# KiCad board hw-openmower-universal.kicad_pcb
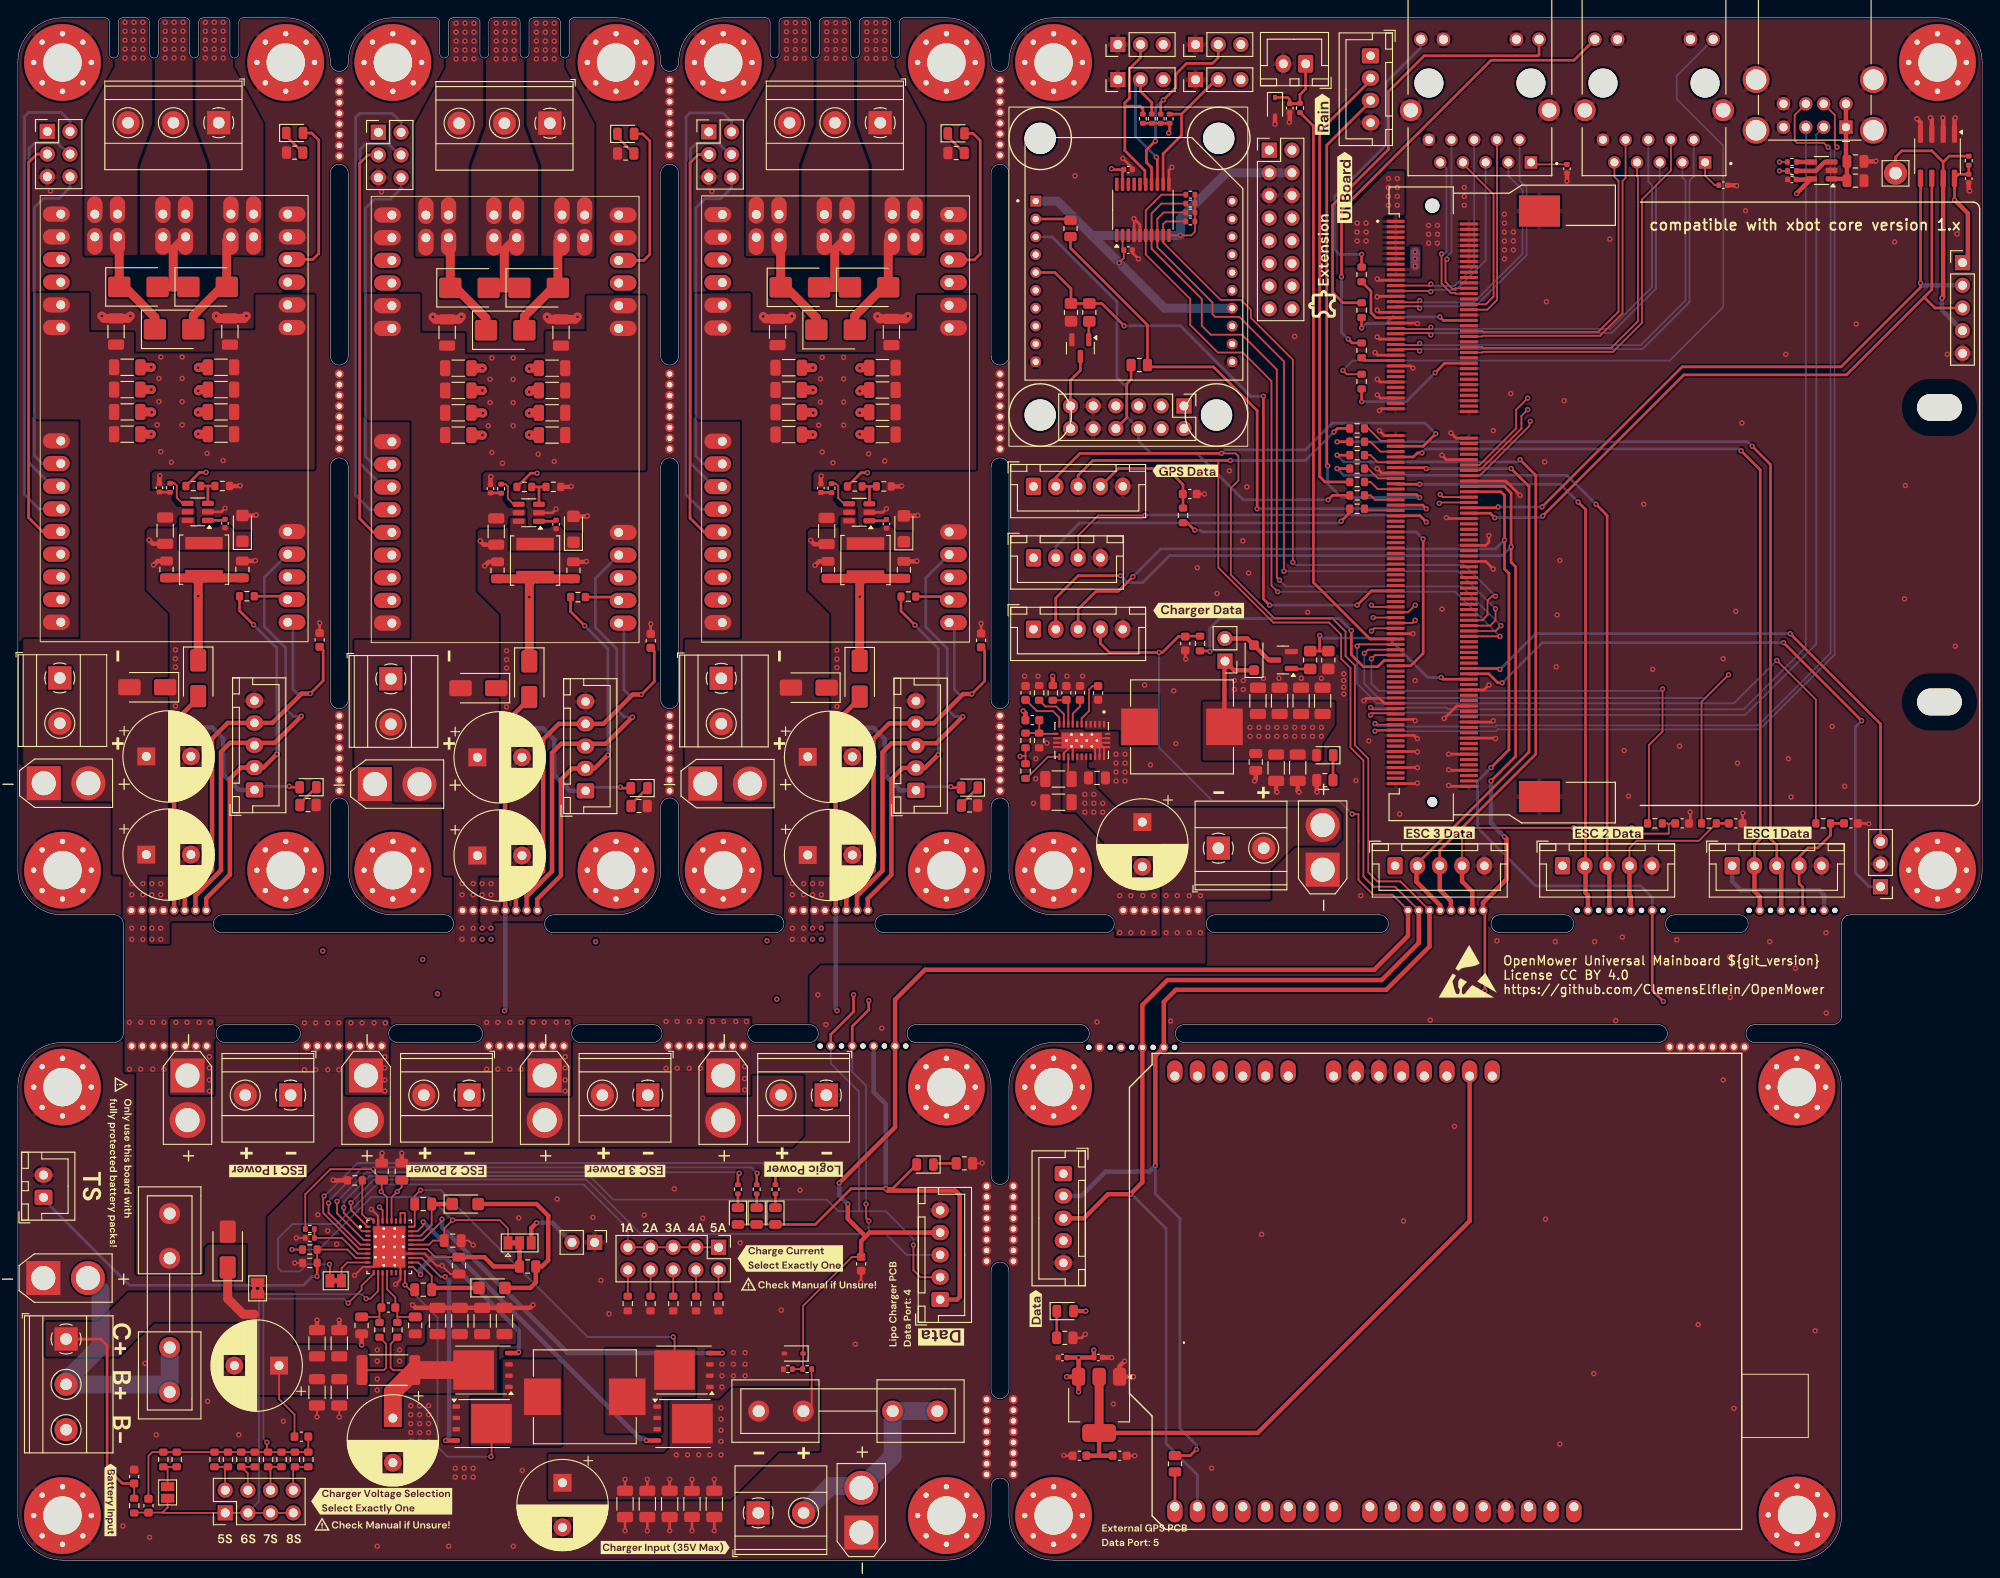
[diagram p0: board, top side]
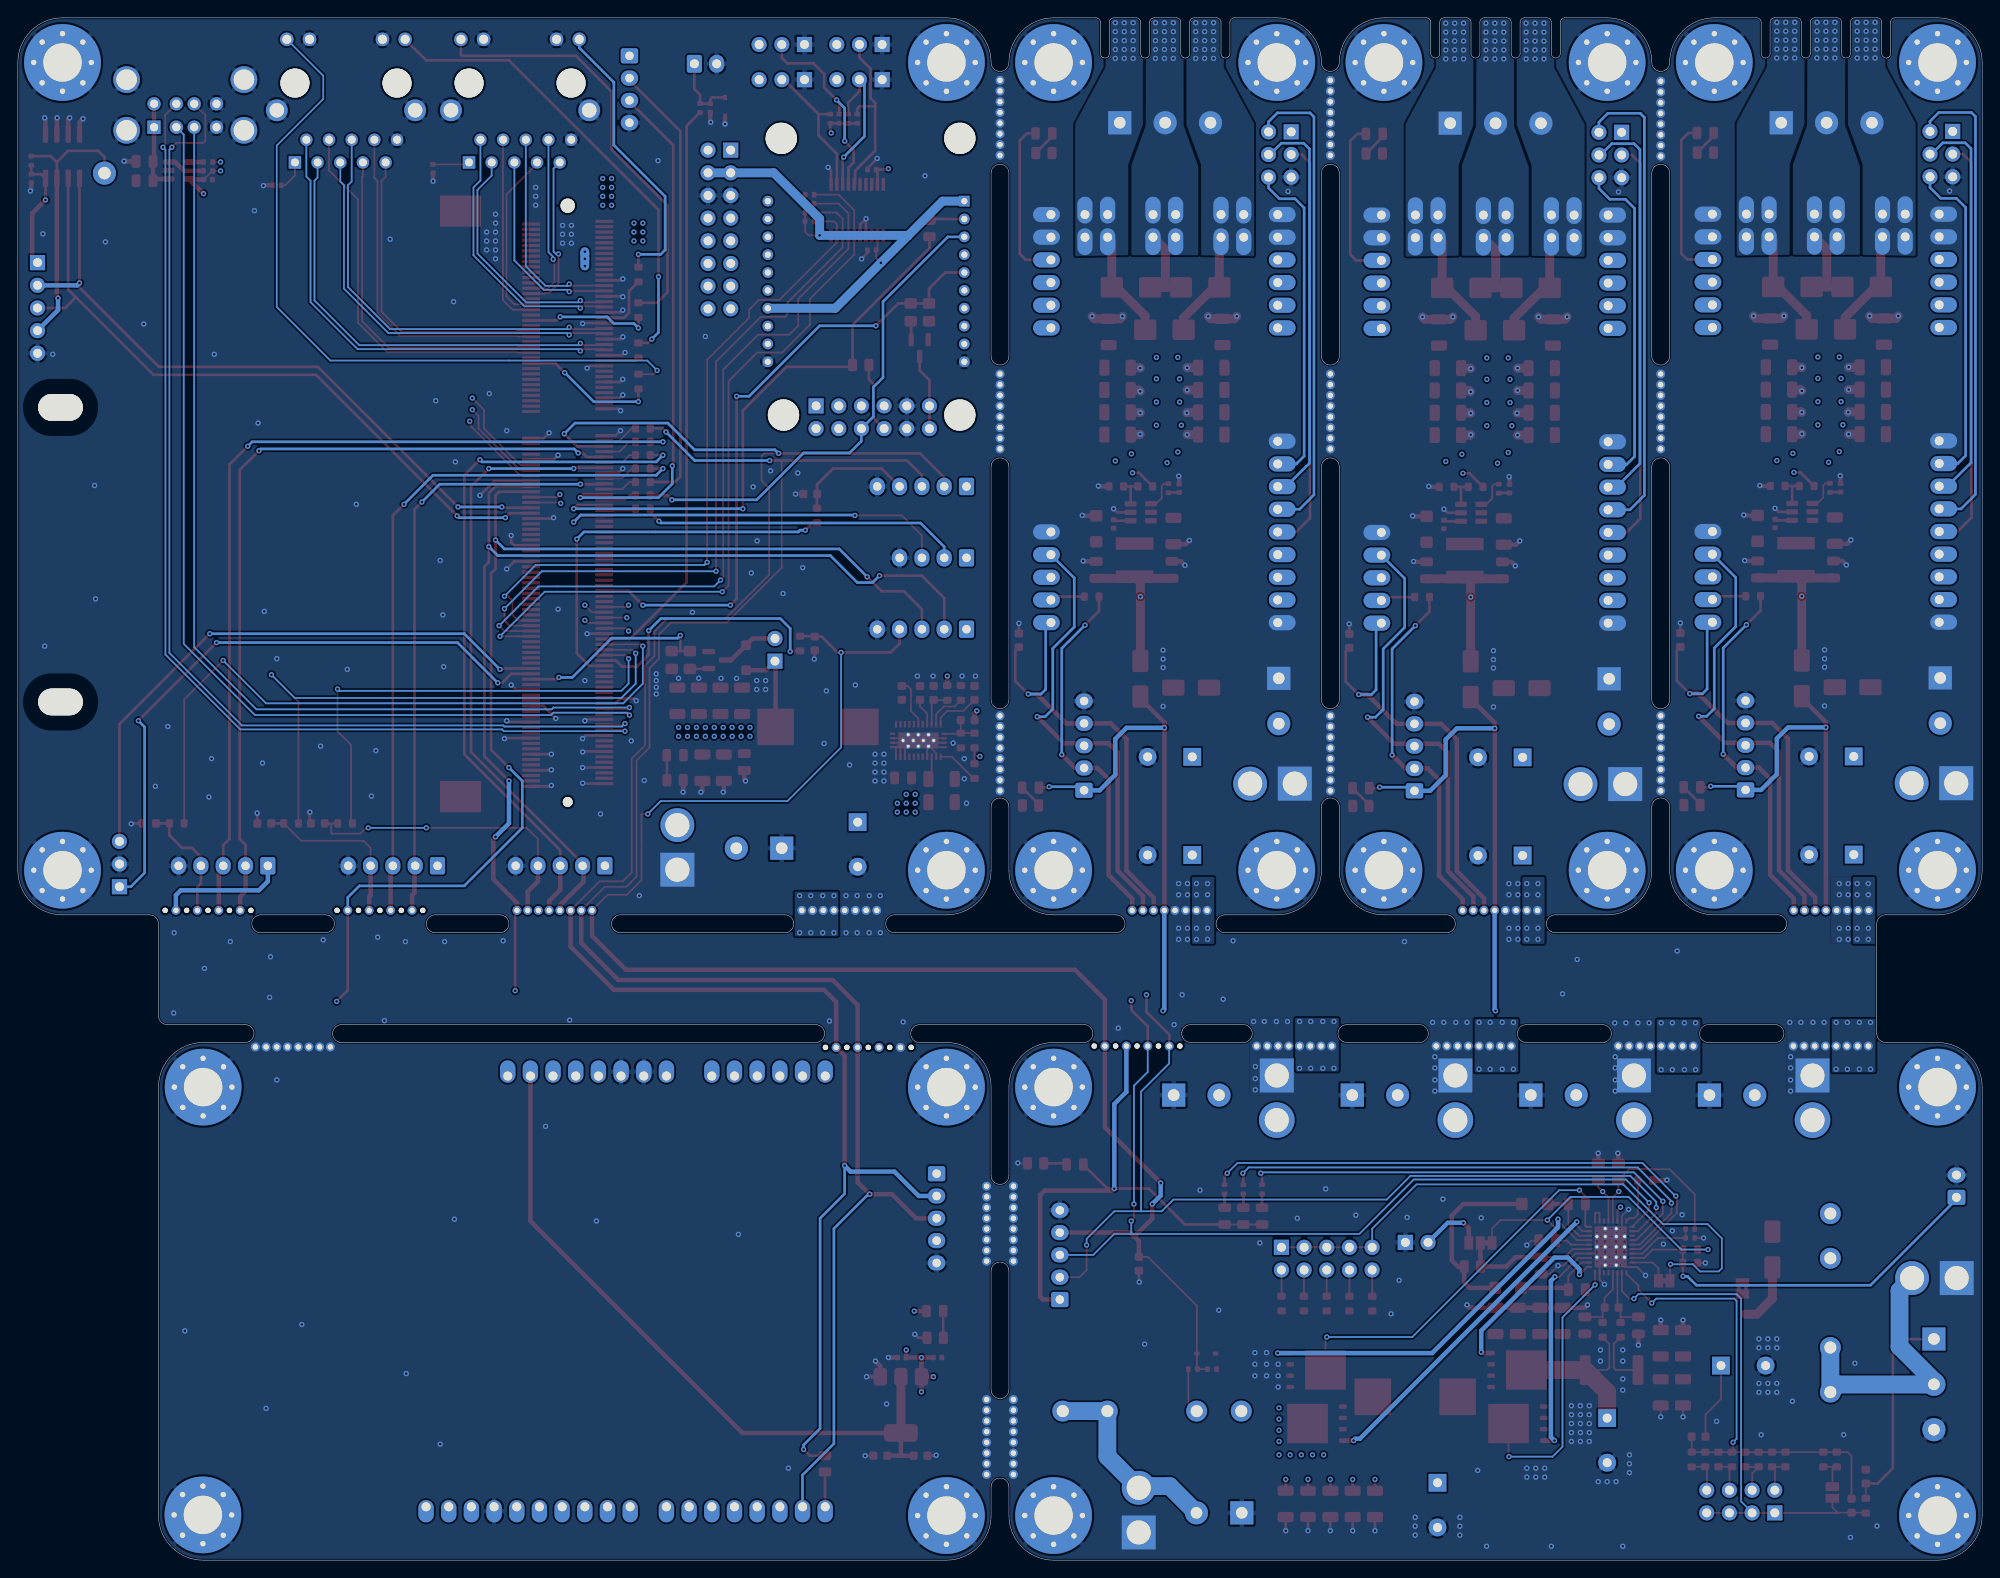
[diagram p1: board, bottom side, seen from below]

Outline 220 x 172.8 mm; copper layers: Top, In1.Cu-GND, In2.Cu-PWR-SIG, Bottom. Coordinates in mm from the lower left corner of the outline.
Outline path: 0,167.8 arc(1.46,171.34) 5,172.8 9.75,172.8 arc(10.1,172.65) 10.25,172.3 10.25,168.8 arc(10.75,168.3) 11.25,168.8 11.25,172.3 arc(11.4,172.65) 11.75,172.8 14.25,172.8 arc(14.6,172.65) 14.75,172.3 14.75,168.8 arc(15.25,168.3) 15.75,168.8 15.75,172.3 arc(15.9,172.65) 16.25,172.8 18.75,172.8 arc(19.1,172.65) 19.25,172.3 19.25,168.8 arc(19.75,168.3) 20.25,168.8 20.25,172.3 arc(20.4,172.65) 20.75,172.8 23.25,172.8 arc(23.6,172.65) 23.75,172.3 23.75,168.8 arc(24.25,168.3) 24.75,168.8 24.75,172.3 arc(24.9,172.65) 25.25,172.8 30,172.8 arc(33.54,171.34) 35,167.8 arc(36,166.8) 37,167.8 arc(38.46,171.34) 42,172.8 46.75,172.8 arc(47.1,172.65) 47.25,172.3 47.25,168.8 arc(47.75,168.3) 48.25,168.8 48.25,172.3 arc(48.4,172.65) 48.75,172.8 51.25,172.8 arc(51.6,172.65) 51.75,172.3 51.75,168.8 arc(52.25,168.3) 52.75,168.8 52.75,172.3 arc(52.9,172.65) 53.25,172.8 55.75,172.8 arc(56.1,172.65) 56.25,172.3 56.25,168.8 arc(56.75,168.3) 57.25,168.8 57.25,172.3 arc(57.4,172.65) 57.75,172.8 60.25,172.8 arc(60.6,172.65) 60.75,172.3 60.75,168.8 arc(61.25,168.3) 61.75,168.8 61.75,172.3 arc(61.9,172.65) 62.25,172.8 67,172.8 arc(70.54,171.34) 72,167.8 arc(73,166.8) 74,167.8 arc(75.46,171.34) 79,172.8 83.75,172.8 arc(84.1,172.65) 84.25,172.3 84.25,168.8 arc(84.75,168.3) 85.25,168.8 85.25,172.3 arc(85.4,172.65) 85.75,172.8 88.25,172.8 arc(88.6,172.65) 88.75,172.3 88.75,168.8 arc(89.25,168.3) 89.75,168.8 89.75,172.3 arc(89.9,172.65) 90.25,172.8 92.75,172.8 arc(93.1,172.65) 93.25,172.3 93.25,168.8 arc(93.75,168.3) 94.25,168.8 94.25,172.3 arc(94.4,172.65) 94.75,172.8 97.25,172.8 arc(97.6,172.65) 97.75,172.3 97.75,168.8 arc(98.25,168.3) 98.75,168.8 98.75,172.3 arc(98.9,172.65) 99.25,172.8 104,172.8 arc(107.54,171.34) 109,167.8 arc(110,166.8) 111,167.8 arc(112.46,171.34) 116,172.8 215,172.8 arc(218.54,171.34) 220,167.8 220,77.3 arc(218.54,73.76) 215,72.3 205.26,72.3 arc(204.55,72.01) 204.26,71.3 204.25,61 arc(203.95,60.29) 203.24,60 194.55,60 arc(193.55,59) 194.55,58 199.25,58 arc(202.79,56.54) 204.25,53 204.25,5 arc(202.79,1.46) 199.25,0 116,0 arc(112.46,1.46) 111,5 111,8.2 arc(110,9.2) 109,8.2 109,5 arc(107.54,1.46) 104,0 5,0 arc(1.46,1.46) 0,5 0,53 arc(1.46,56.54) 5,58 10.8,58 arc(11.51,58.29) 11.8,59 11.8,71.3 arc(11.51,72.01) 10.8,72.3 5,72.3 arc(1.46,73.76) 0,77.3 0,167.8 ; 22.9,70.3 arc(21.9,71.3) 22.9,72.3 30,72.3 arc(33.54,73.76) 35,77.3 35,84.4 arc(36,85.4) 37,84.4 37,77.3 arc(38.46,73.76) 42,72.3 47.8,72.3 arc(48.8,71.3) 47.8,70.3 22.9,70.3 ; 23.2,58 arc(22.2,59) 23.2,60 30.65,60 arc(31.65,59) 30.65,58 23.2,58 ; 35,155.4 35,134.9 arc(36,133.9) 37,134.9 37,155.4 arc(36,156.4) 35,155.4 ; 35,122.5 35,96.4 arc(36,95.4) 37,96.4 37,122.5 arc(36,123.5) 35,122.5 ; 42.53,58 arc(41.53,59) 42.53,60 51.05,60 arc(52.05,59) 51.05,58 42.53,58 ; 60,70.3 arc(59,71.3) 60,72.3 67,72.3 arc(70.54,73.76) 72,77.3 72,84.4 arc(73,85.4) 74,84.4 74,77.3 arc(75.46,73.76) 79,72.3 84.8,72.3 arc(85.8,71.3) 84.8,70.3 60,70.3 ; 63.03,58 arc(62.03,59) 63.03,60 71.15,60 arc(72.15,59) 71.15,58 63.03,58 ; 72,155.4 72,134.9 arc(73,133.9) 74,134.9 74,155.4 arc(73,156.4) 72,155.4 ; 72,122.5 72,96.4 arc(73,95.4) 74,96.4 74,122.5 arc(73,123.5) 72,122.5 ; 82.75,58 arc(81.75,59) 82.75,60 88.65,60 arc(89.65,59) 88.65,58 82.75,58 ; 97,70.3 arc(96,71.3) 97,72.3 104,72.3 arc(107.54,73.76) 109,77.3 109,84.4 arc(110,85.4) 111,84.4 111,77.3 arc(112.46,73.76) 116,72.3 121.8,72.3 arc(122.8,71.3) 121.8,70.3 97,70.3 ; 100.6,58 arc(99.6,59) 100.6,60 119,60 arc(120,59) 119,58 116,58 arc(112.46,56.54) 111,53 111,43.1 arc(110,42.1) 109,43.1 109,53 arc(107.54,56.54) 104,58 100.6,58 ; 109,155.4 109,134.9 arc(110,133.9) 111,134.9 111,155.4 arc(110,156.4) 109,155.4 ; 109,122.5 109,96.4 arc(110,95.4) 111,96.4 111,122.5 arc(110,123.5) 109,122.5 ; 109,32.4 109,19.1 arc(110,18.1) 111,19.1 111,32.4 arc(110,33.4) 109,32.4 ; 130.65,60 183.75,60 arc(184.75,59) 183.75,58 130.65,58 arc(129.65,59) 130.65,60 ; 134.1,72.3 152.5,72.3 arc(153.5,71.3) 152.5,70.3 134.1,70.3 arc(133.1,71.3) 134.1,72.3 ; 166,72.3 173.25,72.3 arc(174.25,71.3) 173.25,70.3 166,70.3 arc(165,71.3) 166,72.3 ; 185.55,72.3 192.8,72.3 arc(193.8,71.3) 192.8,70.3 185.55,70.3 arc(184.55,71.3) 185.55,72.3
Stack: Top 0.035mm / dielectric 0.1mm FR4 er 4.5 / In1.Cu-GND 0.035mm / dielectric 1.24mm FR4 er 4.5 / In2.Cu-PWR-SIG 0.035mm / dielectric 0.1mm FR4 er 4.5 / Bottom 0.035mm

## Placement (name value [footprint] x y rotation side)
C1  10uF@50V  [C_1206_3216Metric]  16.5 115.35 270 top
C2  22pF/50V  [C_0603_1608Metric]  130.75 102.7 270 top
C3  100nF@50V  [C_0402_1005Metric]  15.85 120.15 90 top
C4  100nF@50V  [C_0402_1005Metric]  198.7 154.68 180 top
C5  470nF@50V  [C_0805_2012Metric]  205.81 156.72 0 top
C6  22pF/50V  [C_0603_1608Metric]  131.25 119.45 0 top
C7  22pF/50V  [C_0603_1608Metric]  186.4 82.55 0 top
C8  22pF/50V  [C_0603_1608Metric]  192.4 82.55 0 top
C9  470nF@50V  [C_0805_2012Metric]  205.81 154.56 0 top
C10  100nF@50V  [C_0402_1005Metric]  23.2 116.15 90 top
C11  DNP  [C_0603_1608Metric]  14.63 6.1 90 top  (not fitted)
C12  100nF@50V  [C_0603_1608Metric]  13.02 9.37 270 top
C13  100nF@100V  [C_0805_2012Metric]  45.4 39.9 0 top
C14  100nF@50V  [C_0402_1005Metric]  191 154.05 180 top
C15  100nF@50V  [C_0402_1005Metric]  173.5 155.9 90 top
C16  100nF@100V  [C_0805_2012Metric]  45.4 30.3 0 top
C17  100nF  [C_0402_1005Metric]  218.5 154.8 270 top
C18  100nF  [C_0402_1005Metric]  142.45 162.7 270 top
C19  100nF@50V  [C_0402_1005Metric]  124.35 146.78 0 top
C20  100nF@50V  [C_0402_1005Metric]  124.35 155.8 0 top
C21  22uF/25V  [C_0805_2012Metric]  25.15 111 90 top
C22  10uF@50V  [C_1206_3216Metric]  116.54 84.92 180 top
C23  10uF@50V  [C_1206_3216Metric]  116.54 87.52 180 top
C24  470nF@50V  [C_0805_2012Metric]  120.86 87.64 0 top
C25  C  [C_0603_1608Metric]  112.86 97.17 90 top  (not fitted)
C26  2.2uF/16V  [C_0603_1608Metric]  118.96 97.17 270 top
C27  470nF/25V  [C_0603_1608Metric]  120.99 97.17 270 top
C28  C  [C_0603_1608Metric]  113.62 94.12 0 top  (not fitted)
C29  47uF/10V  [C_1206_3216Metric]  146.13 96.28 90 top
C30  47uF/10V  [C_1206_3216Metric]  143.34 88.79 270 top
C31  47uF/10V  [C_1206_3216Metric]  140.93 88.79 270 top
C32  47uF/10V  [C_1206_3216Metric]  143.72 96.28 90 top
C33  47uF/10V  [C_1206_3216Metric]  141.31 96.28 90 top
C34  220uF@80V  [CP_Radial_D10.0mm_P5.00mm]  125.94 82.69 270 top
C35  22uF/25V  [C_0805_2012Metric]  16.65 111 90 top
C36  10uF@50V  [C_1206_3216Metric]  53.58 115.25 270 top
C37  10uF  [C_0402_1005Metric]  121 22.7 180 top
C38  4.7uF@50V  [C_1206_3216Metric]  73 6.3 270 top
C39  4.7uF@50V  [C_1206_3216Metric]  70.5 6.3 270 top
C40  4.7uF@50V  [C_1206_3216Metric]  78 6.3 270 top
C41  4.7uF@50V  [C_1206_3216Metric]  68 6.3 270 top
C42  220uF@80V  [CP_Radial_D10.0mm_P5.00mm]  61 8.67 270 top
C43  4.7uF@50V  [C_1206_3216Metric]  36 24.3 90 top
C44  4.7uF@50V  [C_1206_3216Metric]  36 18.8 270 top
C45  4.7uF@50V  [C_1206_3216Metric]  33.5 24.3 90 top
C46  4.7uF@50V  [C_1206_3216Metric]  33.5 18.8 270 top
C47  220uF@80V  [CP_Radial_D10.0mm_P5.00mm]  29.25 21.8 180 top
C48  22pF/50V  [C_0603_1608Metric]  205.3 82.55 0 top
C49  DNP  [C_0603_1608Metric]  31.76 13.83 0 top  (not fitted)
C50  220uF@80V  [CP_Radial_D10.0mm_P5.00mm]  42 15.92 270 top
C51  10uF@50V  [C_1206_3216Metric]  12.25 131.15 0 top
C52  10uF@50V  [C_1206_3216Metric]  49.33 131.05 0 top
C53  10uF@50V  [C_1206_3216Metric]  86.34 131.11 0 top
C54  10uF@50V  [C_1206_3216Metric]  12.25 128.65 0 top
C55  4.7uF@50V  [C_1206_3216Metric]  54.5 26.8 90 top
C56  4.7uF@50V  [C_1206_3216Metric]  52 26.8 90 top
C57  10uF@50V  [C_1206_3216Metric]  49.33 128.55 0 top
C58  4.7uF@50V  [C_1206_3216Metric]  47 26.8 90 top
C59  4.7uF@50V  [C_1206_3216Metric]  49.5 26.8 90 top
C60  10uF@50V  [C_1206_3216Metric]  86.34 128.61 0 top
C61  10uF@50V  [C_1206_3216Metric]  22.75 133.65 180 top
C62  10uF@50V  [C_1206_3216Metric]  59.83 133.55 180 top
C63  100nF  [C_0402_1005Metric]  117 22.7 0 top
C64  220uF@80V  [CP_Radial_D10.0mm_P5.00mm]  14.38 79.05 0 top
C65  220uF@80V  [CP_Radial_D10.0mm_P5.00mm]  14.38 90.05 0 top
C66  10uF@50V  [C_1206_3216Metric]  12.25 133.65 0 top
C67  10uF@50V  [C_1206_3216Metric]  23.75 137.65 90 top
C68  220uF@80V  [CP_Radial_D10.0mm_P5.00mm]  51.46 78.95 0 top
C69  220uF@80V  [CP_Radial_D10.0mm_P5.00mm]  51.46 89.95 0 top
C70  10uF@50V  [C_1206_3216Metric]  49.33 133.55 0 top
C71  10uF@50V  [C_1206_3216Metric]  60.83 137.55 90 top
C72  220uF@80V  [CP_Radial_D10.0mm_P5.00mm]  88.47 79.01 0 top
C73  220uF@80V  [CP_Radial_D10.0mm_P5.00mm]  88.47 90.01 0 top
C74  10uF@50V  [C_1206_3216Metric]  86.34 133.61 0 top
C75  10uF@50V  [C_1206_3216Metric]  97.84 137.61 90 top
C76  22pF/50V  [C_0603_1608Metric]  33.8 103.1 90 top
C77  10uF@50V  [C_1206_3216Metric]  96.84 133.61 180 top
C78  4.7uF  [C_0805_2012Metric]  49.4 33 270 top
C79  100nF@100V  [C_0805_2012Metric]  40.75 43.55 90 top
C80  1uF@50V  [C_0805_2012Metric]  43 43.55 90 top
C81  100nF@100V  [C_0805_2012Metric]  44.5 26.3 90 top
C82  100nF@100V  [C_0805_2012Metric]  38.5 26.3 270 top
C83  470nF/25V  [C_0603_1608Metric]  41.5 28.3 180 top
C84  4.7uF  [C_0805_2012Metric]  48.7 35.8 0 top
C85  10uF@50V  [C_1206_3216Metric]  22.75 131.15 180 top
C86  10uF@50V  [C_1206_3216Metric]  59.83 131.05 180 top
C87  10uF@50V  [C_1206_3216Metric]  96.84 131.11 180 top
C88  10uF@50V  [C_1206_3216Metric]  22.75 128.65 180 top
C89  10uF@50V  [C_1206_3216Metric]  59.83 128.55 180 top
C90  10uF@50V  [C_1206_3216Metric]  96.84 128.61 180 top
C91  10uF@50V  [C_1206_3216Metric]  12.25 126.15 0 top
C92  10uF@50V  [C_1206_3216Metric]  49.33 126.05 0 top
C93  10uF@50V  [C_1206_3216Metric]  86.34 126.11 0 top
C94  10uF@50V  [C_1206_3216Metric]  22.75 126.15 180 top
C95  10uF@50V  [C_1206_3216Metric]  59.83 126.05 180 top
C96  10uF@50V  [C_1206_3216Metric]  96.84 126.11 180 top
C97  10uF@50V  [C_1206_3216Metric]  11 137.65 90 top
C98  10uF@50V  [C_1206_3216Metric]  48.08 137.55 90 top
C99  10uF@50V  [C_1206_3216Metric]  85.09 137.61 90 top
C100  100nF@50V  [C_0402_1005Metric]  52.93 120.05 90 top
C101  100nF@50V  [C_0402_1005Metric]  60.28 116.05 90 top
C102  22uF/25V  [C_0805_2012Metric]  62.23 110.9 90 top
C103  22uF/25V  [C_0805_2012Metric]  53.73 110.9 90 top
C104  10uF@50V  [C_1206_3216Metric]  90.58 115.3 270 top
C105  100nF@50V  [C_0402_1005Metric]  89.94 120.11 90 top
C106  100nF@50V  [C_0402_1005Metric]  97.28 116.1 90 top
C107  22uF/25V  [C_0805_2012Metric]  99.23 110.95 90 top
C108  22uF/25V  [C_0805_2012Metric]  90.73 110.95 90 top
C109  22pF/50V  [C_0603_1608Metric]  70.88 103 90 top
C110  22pF/50V  [C_0603_1608Metric]  107.88 103.06 90 top
C111  22pF/50V  [C_0603_1608Metric]  94.45 33.2 270 top
C115  1uF@50V  [C_0603_1608Metric]  117.43 97.17 270 top
C117  47uF/10V  [C_1206_3216Metric]  138.89 96.28 90 top
C118  470nF@50V  [C_0805_2012Metric]  138.64 89.42 270 top
C119  22uF  [C_0603_1608Metric]  118.9 11.7 0 top
C120  22uF  [C_0603_1608Metric]  123.4 11.7 180 top
D1  PDZ3.3B,115  [D_SOD-323]  140.8 162.83 270 top
D2  VS-2EFH02HM3/I  [D_SMF]  53.1 30.5 0 top
D3  SS54  [D_SMA]  23.5 34.8 90 top
D4  SS14  [D_SMA]  20.2 98.8 270 top
D5  LED GREEN  [LED_0805_2012Metric]  80.65 38.55 270 top
D6  LED GREEN  [LED_0805_2012Metric]  82.75 38.55 270 top
D7  DNP  [D_SMA]  14.5 97.8 180 top  (not fitted)
D8  DNP  [D_SMB]  21.25 142.65 0 top  (not fitted)
D9  DNP  [D_SMB]  13.5 142.65 0 top  (not fitted)
D10  DNP  [D_SMB]  17.5 137.9 0 top  (not fitted)
D11  DNP  [D_SMA]  51.58 97.7 180 top  (not fitted)
D12  DNP  [D_SMB]  58.33 142.55 0 top  (not fitted)
D13  DNP  [D_SMB]  50.58 142.55 0 top  (not fitted)
D14  DNP  [D_SMB]  54.58 137.8 0 top  (not fitted)
D15  LED GREEN  [LED_0805_2012Metric]  146.39 90.18 180 top
D17  DNP  [D_SMA]  88.59 97.76 180 top  (not fitted)
D18  DNP  [D_SMB]  95.34 142.61 0 top  (not fitted)
D19  DNP  [D_SMB]  87.59 142.61 0 top  (not fitted)
D20  DNP  [D_SMB]  91.59 137.86 0 top  (not fitted)
D21  D_Schottky  [D_SOD-123F]  138.45 101.11 90 top
D22  VS-2EFH02HM3/I  [D_SMF]  25.15 115.6 90 top
D23  PDZ3.3B,115  [D_SOD-323]  86.9 23.15 180 top
D24  SS14  [D_SMA]  57.28 98.7 270 top
D25  LED GREEN  [LED_0805_2012Metric]  117.3 27.9 0 top
D26  VS-2EFH02HM3/I  [D_SMF]  50.1 39.9 0 top
D27  VS-2EFH02HM3/I  [D_SMF]  62.23 115.5 90 top
D28  SS14  [D_SMA]  94.28 98.76 270 top
D29  LED GREEN  [LED_0805_2012Metric]  84.85 38.55 270 top
D30  VS-2EFH02HM3/I  [D_SMF]  99.23 115.55 90 top
D31  LED GREEN  [LED_0805_2012Metric]  31 159.9 0 top
D32  LED GREEN  [LED_0805_2012Metric]  68.08 159.8 0 top
D33  LED GREEN  [LED_0805_2012Metric]  105.09 159.86 0 top
D36  LED GREEN  [LED_0805_2012Metric]  32.5 86.6 180 top
D37  LED GREEN  [LED_0805_2012Metric]  69.58 86.5 180 top
D38  LED GREEN  [LED_0805_2012Metric]  106.59 86.56 180 top
D39  LED GREEN  [LED_0805_2012Metric]  101.6 44.33 180 top
F1  Fuse  [Fuseholder5x20_horiz_open_inline_Type-I]  17 18.83 90 top  (not fitted)
F2  Fuse  [Fuseholder5x20_horiz_open_inline_Type-I]  102.97 16.7 180 top  (not fitted)
H1  MountingHole_Pad  [MountingHole_4.3mm_M4_Pad_Via]  30 167.8 0 top
H2  MountingHole_Pad  [MountingHole_4.3mm_M4_Pad_Via]  42 167.8 0 top
H3  MountingHole_Pad  [MountingHole_4.3mm_M4_Pad_Via]  104 167.8 0 top
H5  MountingHole_Pad  [MountingHole_4.3mm_M4_Pad_Via]  199.25 53 0 top
H6  MountingHole_Pad  [MountingHole_4.3mm_M4_Pad_Via]  199.28 5.07 0 top
H7  MountingHole_Pad  [MountingHole_4.3mm_M4_Pad_Via]  215 77.3 0 top
H10  MountingHole_Pad  [MountingHole_4.3mm_M4_Pad_Via]  116 5 0 top
H13  MountingHole_Pad  [MountingHole_4.3mm_M4_Pad_Via]  104 53 0 top
H14  MountingHole_Pad  [MountingHole_4.3mm_M4_Pad_Via]  104 77.3 0 top
H15  MountingHole_Pad  [MountingHole_4.3mm_M4_Pad_Via]  116 53 0 top
H17  MountingHole_Pad  [MountingHole_4.3mm_M4_Pad_Via]  116 77.3 0 top
H20  MountingHole_Pad  [MountingHole_4.3mm_M4_Pad_Via]  104 5 0 top
H21  MountingHole_Pad  [MountingHole_4.3mm_M4_Pad_Via]  5 167.8 0 top
H22  MountingHole_Pad  [MountingHole_4.3mm_M4_Pad_Via]  5 77.3 0 top
H23  MountingHole_Pad  [MountingHole_4.3mm_M4_Pad_Via]  5 53 0 top
H24  MountingHole_Pad  [MountingHole_4.3mm_M4_Pad_Via]  5 5 0 top
H25  MountingHole_Pad  [MountingHole_4.3mm_M4_Pad_Via]  116 167.8 0 top
H26  MountingHole_Pad  [MountingHole_4.3mm_M4_Pad_Via]  215 167.8 0 top
H27  MountingHole_Pad  [MountingHole_4.3mm_M4_Pad_Via]  30 77.3 0 top
H28  MountingHole_Pad  [MountingHole_4.3mm_M4_Pad_Via]  42 77.3 0 top
H29  MountingHole_Pad  [MountingHole_4.3mm_M4_Pad_Via]  79 167.8 0 top
H30  MountingHole_Pad  [MountingHole_4.3mm_M4_Pad_Via]  67 167.8 0 top
H31  MountingHole_Pad  [MountingHole_4.3mm_M4_Pad_Via]  79 77.3 0 top
H32  MountingHole_Pad  [MountingHole_4.3mm_M4_Pad_Via]  67 77.3 0 top
J1  Conn_01x04  [JST_XH_B4B-XH-A_1x04_P2.50mm_Vertical]  113.75 112.3 0 top  (not fitted)
J2  Conn_02x04_Odd_Even  [PinHeader_2x04_P2.54mm_Vertical]  23.22 5.3 90 top
J3  Screw_Terminal_01x03  [TerminalBlock_Phoenix_MKDS-1,5-3-5.08_1x03_P5.08mm_Horizontal]  5.4 24.78 270 top
J4  Conn_02x05_Odd_Even  [PinHeader_2x05_P2.54mm_Vertical]  78.48 35.05 270 top
J5  Conn_02x08_Odd_Even  [PinHeader_2x08_P2.54mm_Vertical]  140.16 157.98 0 top
J6  USB_A_Stacked  [USB_A_Wuerth_61400826021_Horizontal_Stacked]  204.75 160.55 180 top
J7  -  [HR911130A]  183.25 165.5 0 top
J8  -  [HR911130A]  163.75 165.5 0 top
J9  Conn_01x02  [AMASS_XT30U-M_1x02_P5.0mm_Vertical]  2.85 31.6 0 top
J10  Screw_Terminal_01x02  [TerminalBlock_Phoenix_MKDS-1,5-2-5.08_1x02_P5.08mm_Horizontal]  82.92 5.3 0 top
J11  Conn_01x05  [JST_XH_B5B-XH-A_1x05_P2.50mm_Vertical]  192 77.8 0 top
J12  -  [xcore]  158.42 118.35 0 top
J13  Screw_Terminal_01x02  [TerminalBlock_Phoenix_MKDS-1,5-2-5.08_1x02_P5.08mm_Horizontal]  134.45 79.77 0 top
J14  Conn_01x02  [AMASS_XT30U-M_1x02_P5.0mm_Vertical]  146.13 77.36 90 top
J15  Conn_01x04  [JST_XH_B4B-XH-A_1x04_P2.50mm_Vertical]  151.5 168.55 270 top
J16  Conn_01x05  [JST_XH_B5B-XH-A_1x05_P2.50mm_Vertical]  113.75 120.3 0 top
J17  Conn_01x02  [AMASS_XT30U-M_1x02_P5.0mm_Vertical]  94.47 3.11 90 top
J18  Conn_01x05  [JST_XH_B5B-XH-A_1x05_P2.50mm_Vertical]  26.5 86.3 90 top
J19  Conn_01x02  [JST_XH_B2B-XH-A_1x02_P2.50mm_Vertical]  2.88 40.65 90 top
J20  Conn_01x05  [JST_XH_B5B-XH-A_1x05_P2.50mm_Vertical]  173 77.8 0 top
J21  Conn_01x05  [JST_XH_B5B-XH-A_1x05_P2.50mm_Vertical]  154.25 77.8 0 top
J22  Screw_Terminal_01x03  [TerminalBlock_Phoenix_MKDS-1,5-3-5.08_1x03_P5.08mm_Horizontal]  22.5 161.05 180 top
J23  Conn_01x05  [JST_XH_B5B-XH-A_1x05_P2.50mm_Vertical]  113.75 104.3 0 top
J24  Conn_01x02  [JST_XH_B2B-XH-A_1x02_P2.50mm_Vertical]  144.23 167.65 180 top
J25  Conn_01x05  [JST_XH_B5B-XH-A_1x05_P2.50mm_Vertical]  63.58 86.2 90 top
J26  Conn_01x05  [JST_XH_B5B-XH-A_1x05_P2.50mm_Vertical]  100.59 86.26 90 top
J27  Conn_01x05  [JST_XH_B5B-XH-A_1x05_P2.50mm_Vertical]  103.3 29.2 90 top
J28  Conn_01x03_Male  [PinHeader_1x03_P2.54mm_Vertical]  131.9 165.88 90 top
J29  Conn_01x05  [JST_XH_B5B-XH-A_1x05_P2.50mm_Vertical]  117.1 43.3 270 top
J30  Conn_01x03_Male  [PinHeader_1x03_P2.54mm_Vertical]  123.2 165.88 90 top
J31  Conn_01x03_Pin  [PinHeader_1x03_P2.54mm_Vertical]  208.62 75.45 180 top  (not fitted)
J32  Conn_01x05_Pin  [PinHeader_1x05_P2.54mm_Vertical]  217.8 145.38 0 top  (not fitted)
J34  Screw_Terminal_01x03  [TerminalBlock_Phoenix_MKDS-1,5-3-5.08_1x03_P5.08mm_Horizontal]  59.58 161 180 top
J35  Screw_Terminal_01x03  [TerminalBlock_Phoenix_MKDS-1,5-3-5.08_1x03_P5.08mm_Horizontal]  96.59 161.05 180 top
J36  Conn_02x03_Odd_Even  [PinHeader_2x03_P2.54mm_Vertical]  3.3 160.08 0 top
J37  Conn_02x03_Odd_Even  [PinHeader_2x03_P2.54mm_Vertical]  40.38 159.98 0 top
J38  Conn_02x03_Odd_Even  [PinHeader_2x03_P2.54mm_Vertical]  77.39 160.03 0 top
J39  Screw_Terminal_01x02  [TerminalBlock_Phoenix_MKDS-1,5-2-5.08_1x02_P5.08mm_Horizontal]  4.7 98.85 270 top
J40  Screw_Terminal_01x02  [TerminalBlock_Phoenix_MKDS-1,5-2-5.08_1x02_P5.08mm_Horizontal]  41.78 98.75 270 top
J41  Screw_Terminal_01x02  [TerminalBlock_Phoenix_MKDS-1,5-2-5.08_1x02_P5.08mm_Horizontal]  78.78 98.8 270 top
J42  Conn_01x02  [AMASS_XT30U-M_1x02_P5.0mm_Vertical]  2.9 87.05 0 top
J43  Conn_01x02  [AMASS_XT30U-M_1x02_P5.0mm_Vertical]  39.98 86.95 0 top
J44  Conn_01x02  [AMASS_XT30U-M_1x02_P5.0mm_Vertical]  76.98 87.01 0 top
J52  Conn_01x03_Male  [PinHeader_1x03_P2.54mm_Vertical]  131.9 169.81 90 top
J54  Conn_01x03_Male  [PinHeader_1x03_P2.54mm_Vertical]  123.2 169.81 90 top
J56  Screw_Terminal_01x02  [TerminalBlock_Phoenix_MKDS-1,5-2-5.08_1x02_P5.08mm_Horizontal]  50.55 52.11 180 top
J57  Conn_01x02  [AMASS_XT30U-F_1x02_P5.0mm_Vertical]  39 54.3 270 top
J58  Screw_Terminal_01x02  [TerminalBlock_Phoenix_MKDS-1,5-2-5.08_1x02_P5.08mm_Horizontal]  90.54 52.11 180 top
J59  Conn_01x02  [AMASS_XT30U-F_1x02_P5.0mm_Vertical]  79 54.3 270 top
J60  Screw_Terminal_01x02  [TerminalBlock_Phoenix_MKDS-1,5-2-5.08_1x02_P5.08mm_Horizontal]  30.55 52.11 180 top
J61  Conn_01x02  [AMASS_XT30U-F_1x02_P5.0mm_Vertical]  19 54.3 270 top
J62  Screw_Terminal_01x02  [TerminalBlock_Phoenix_MKDS-1,5-2-5.08_1x02_P5.08mm_Horizontal]  70.55 52.11 180 top
J63  Conn_01x02  [AMASS_XT30U-F_1x02_P5.0mm_Vertical]  59 54.3 270 top
JP1  SolderJumper_3_Bridged12  [SolderJumper-3_P1.3mm_Bridged12_Pad1.0x1.5mm]  56.2 35.54 0 top
JP2  SolderJumper_2_Bridged  [SolderJumper-2_P1.3mm_Bridged2Bar_Pad1.0x1.5mm]  26.85 30.45 270 top
JP3  SolderJumper_2_Open  [SolderJumper-2_P1.3mm_Open_Pad1.0x1.5mm]  16.77 7.58 270 top
JP4  SolderJumper_2_Bridged  [SolderJumper-2_P1.3mm_Bridged_Pad1.0x1.5mm]  35.6 31.3 0 top
kibuzzard-670E8F90  G***  [kibuzzard-670E8F90]  40.74 6.6 0 top
kibuzzard-670E90ED  G***  [kibuzzard-670E90ED]  41.77 3.95 0 top
kibuzzard-670E90ED#2  G***  [kibuzzard-670E90ED]  89.53 30.85 0 top
kibuzzard-670E91C7  G***  [kibuzzard-670E91C7]  23.2 2.4 0 top
kibuzzard-670E91D3  G***  [kibuzzard-670E91D3]  25.8 2.4 0 top
kibuzzard-670E91D8  G***  [kibuzzard-670E91D8]  28.3 2.4 0 top
kibuzzard-670E91E3  G***  [kibuzzard-670E91E3]  30.9 2.4 0 top
kibuzzard-6711AB8A  G***  [kibuzzard-6711AB8A]  86.5 33.8 0 top
kibuzzard-6853DB1B  G***  [kibuzzard-6853DB1B]  11.4 43.4 270 top
kibuzzard-6853DB41  G***  [kibuzzard-6853DB41]  72.5 1.41 0 top
kibuzzard-6853DBB6  G***  [kibuzzard-6853DBB6]  98.8 28.7 90 top
kibuzzard-67111AE1  G***  [kibuzzard-67111AE1]  114 28.2 90 top
kibuzzard-67111D43  G***  [kibuzzard-67111D43]  126.2 2.8 0 top
kibuzzard-67111E87  G***  [kibuzzard-67111E87]  159.2 81.5 0 top
kibuzzard-67111E96  G***  [kibuzzard-67111E96]  178.1 81.5 0 top
kibuzzard-67111EA5  G***  [kibuzzard-67111EA5]  197.1 81.5 0 top
kibuzzard-67111FCC  G***  [kibuzzard-67111FCC]  28 43.6 180 top
kibuzzard-67111FDF  G***  [kibuzzard-67111FDF]  48 43.6 180 top
kibuzzard-67111FEA  G***  [kibuzzard-67111FEA]  68 43.6 180 top
kibuzzard-67111FFB  G***  [kibuzzard-67111FFB]  88 43.8 180 top
kibuzzard-68532E1B  G***  [kibuzzard-68532E1B]  85.6 45.6 180 top
kibuzzard-68532E1B#2  G***  [kibuzzard-68532E1B]  65.6 45.6 180 top
kibuzzard-68532E1B#3  G***  [kibuzzard-68532E1B]  139.5 86 0 top
kibuzzard-68532E1B#4  G***  [kibuzzard-68532E1B]  11.2 91.5 270 top
kibuzzard-68532E1B#5  G***  [kibuzzard-68532E1B]  85.3 91.5 270 top
kibuzzard-68532E1B#6  G***  [kibuzzard-68532E1B]  45.6 45.6 180 top
kibuzzard-68532E1B#7  G***  [kibuzzard-68532E1B]  25.6 45.6 180 top
kibuzzard-68532E1B#8  G***  [kibuzzard-68532E1B]  48.3 91.5 270 top
kibuzzard-68532E1B#9  G***  [kibuzzard-68532E1B]  88 12 0 top
kibuzzard-68532E12  G***  [kibuzzard-68532E12]  85.3 101.3 270 top
kibuzzard-68532E12#2  G***  [kibuzzard-68532E12]  48.3 101.3 270 top
kibuzzard-68532E12#3  G***  [kibuzzard-68532E12]  30.6 45.6 180 top
kibuzzard-68532E12#4  G***  [kibuzzard-68532E12]  134.5 86 0 top
kibuzzard-68532E12#5  G***  [kibuzzard-68532E12]  70.6 45.6 180 top
kibuzzard-68532E12#6  G***  [kibuzzard-68532E12]  11.2 101.3 270 top
kibuzzard-68532E12#7  G***  [kibuzzard-68532E12]  83 12 0 top
kibuzzard-68532E12#8  G***  [kibuzzard-68532E12]  50.6 45.6 180 top
kibuzzard-68532E12#9  G***  [kibuzzard-68532E12]  90.6 45.6 180 top
kibuzzard-671117D8  G***  [kibuzzard-671117D8]  8.3 41.9 270 top
kibuzzard-671119EE  G***  [kibuzzard-671119EE]  10.37 6.75 270 top
kibuzzard-671124D1  G***  [kibuzzard-671124D1]  130.75 122.05 0 top
kibuzzard-671124D9  G***  [kibuzzard-671124D9]  132.25 106.4 0 top
kibuzzard-671188B5  G***  [kibuzzard-671188B5]  68.25 37.25 0 top
kibuzzard-671188C2  G***  [kibuzzard-671188C2]  70.85 37.25 0 top
kibuzzard-671188D3  G***  [kibuzzard-671188D3]  73.4 37.25 0 top
kibuzzard-671188DE  G***  [kibuzzard-671188DE]  75.95 37.25 0 top
kibuzzard-671188EA  G***  [kibuzzard-671188EA]  78.45 37.25 0 top
kibuzzard-6711201C  G***  [kibuzzard-6711201C]  103.4 25 180 top
kibuzzard-6716385D  G***  [kibuzzard-6716385D]  146.2 146.8 90 top
kibuzzard-6716388B  G***  [kibuzzard-6716388B]  146.1 162 90 top
kibuzzard-67111882  G***  [kibuzzard-67111882]  11.65 19.6 270 top
kibuzzard-67111937  G***  [kibuzzard-67111937]  11.64 14.62 270 top
kibuzzard-67111945  G***  [kibuzzard-67111945]  11.64 24.78 270 top
kibuzzard-67163896  G***  [kibuzzard-67163896]  148.6 153.8 90 top